# Altium PCB Bran_Main_Assay_PCB_v2.PcbDoc (part 11 of 15) (continued)
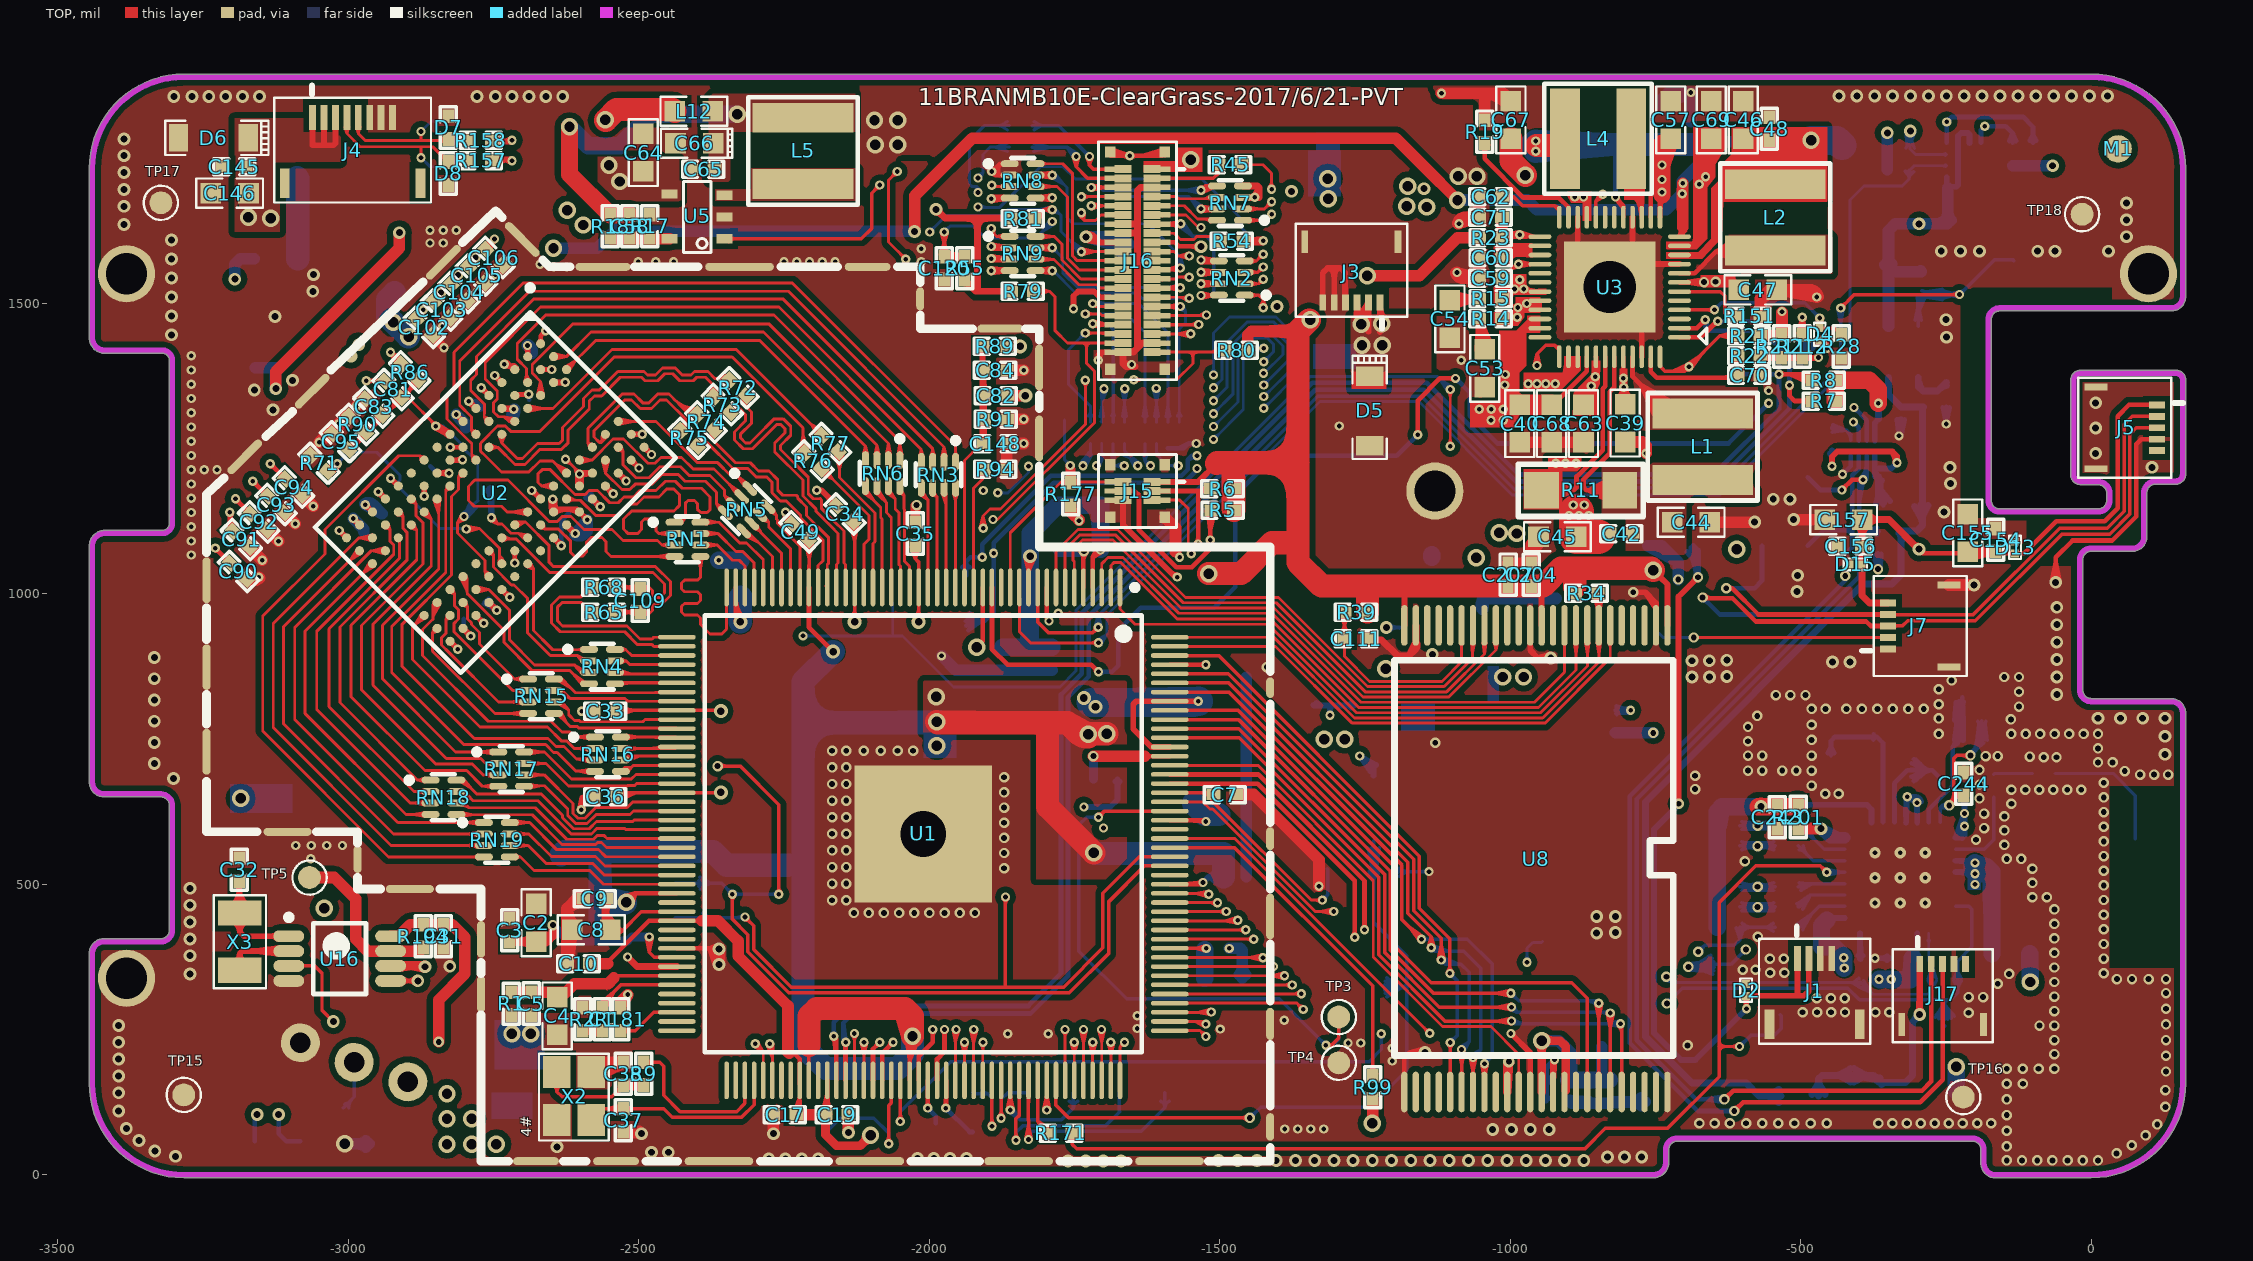
[diagram p0: TOP view]
## Nets (pads, with @x,y where several pads share a name; then routed paths per layer and width w, separated by ;. In a path a pad name is that pad's centre, name@x,y a point inside that pad or via, vN(x,y) a via of type N, cw(c..) or ccw(c..) an arc to the next point about the centre after c; other vN are vias at no path point) (continued)
  BOTTOM w6: v1@-1000.77,284.66 -989.18,279.99 ; v1@-998.02,283.83 cw(c-998.02,271.76) -989.48,280.3 cw(c-980.94,288.83) v1@-993.02,288.83 ; v1(-998.02,288.83) -989.18,279.99 ; v1@-993.84,291.59 -989.18,279.99 ; -843.08,279.99 cw(c-843.08,263.78) v1@-831.61,275.24 ; -837.21,279.99 ccw(c-837.21,287.92) v1@-831.61,282.32 ; v1@-829.52,273.99 -838.88,279.44 ; v1@-828.93,283.71 -838.88,279.44 ; -989.18,279.99 -829.29,279.99 v1(-828.07,278.78) -838.88,279.44
ND7: U1.165 U8.44 | length 1580
  TOP w6: U1.165@-1586.22,752.27 -1466.45,752.27 -1226.52,512.33 -1226.52,378.77 -1112.58,264.83 v1(-998.02,264.83) ; U1.165@-1557.67,752.27 -1535.74,752.27 ; v1@-1001.55,261.3 ccw(c-1010.09,252.76) -1010.09,264.83 ccw(c-1010.09,276.91) v1@-1001.55,268.37 ; v1@-999.63,260.1 -1006.96,265.25 ; v1@-999.63,269.57 -1006.96,264.42 ; v1@-999.19,259.97 -1006.96,264.42 ; v1@-999.19,269.69 -1006.96,265.25 ; v1@-998.5,259.86 -1024.02,264.83 ; v1@-998.5,269.81 -1024.02,264.83 ; v1@-814.02,256.77 cw(c-827.63,243.16) -808.39,243.16 ; v1(-810.49,260.3) -808.39,258.2 U8.44@-808.39,142.68 U8.44@-809.02,143.31 ; U8.44@-810.09,173.97 ccw(c-814.21,178.09) -808.39,178.09 ccw(c-802.56,178.09) U8.44@-806.68,173.97 ; U8.44@-808.39,172.26 -808.39,195.68 ; -1024.02,264.83 v1(-998.02,264.83) ; -1006.96,264.42 v1(-998.02,264.83) ; -1006.96,265.25 v1(-998.02,264.83)
  BOTTOM w6: v1@-998.72,264.13 ccw(c-989.49,273.36) -989.49,260.3 ; v1(-998.02,264.83) -993.49,260.3 v1(-810.49,260.3) ; v1@-994.48,268.37 ccw(c-975.01,287.84) -975.01,260.3 ; v1@-814.02,256.77 ccw(c-822.56,248.23) -822.56,260.3 ccw(c-822.56,272.38) v1@-814.02,263.84 ; v1@-812.1,255.57 -819.43,260.72 ; v1@-812.1,265.04 -819.43,259.89 ; v1@-811.66,255.44 -819.43,259.89 ; v1@-811.66,265.17 -819.43,260.72 ; v1@-810.97,255.33 -836.49,260.3 ; v1@-810.97,265.28 -836.49,260.3 ; -836.49,260.3 v1(-810.49,260.3) ; -819.43,259.89 v1(-810.49,260.3) ; -819.43,260.72 v1(-810.49,260.3)
NDQS: U1.162 U8.35 | length 978.6
  TOP w5: U1.162@-1586.22,705.03 -1434.59,705.03 -1236.02,506.46 -1236.02,374.83 -1116.52,255.33 -1033.52,255.33 -985.55,207.37 U8.35@-985.55,142.68 ; U1.162@-1557.67,705.03 -1538.74,705.03 ; U8.35@-987.61,174.32 ccw(c-992.58,179.3) -985.55,179.3 ccw(c-978.52,179.3) U8.35@-983.49,174.32
NMI-N: R21.1 U1.158 U3.48 U16.3 | length 4996.3
  TOP w5: U1.158@-1586.22,642.04 -1529.28,642.04 -1517.14,629.9 -1512.37,629.9 -1335.78,453.31 v1(-1304.02,453.31) ; U1.158@-1557.67,642.04 -1538.74,642.04 ; v1@-1307.9,449.42 ccw(c-1317.29,440.03) -1317.29,453.31 ccw(c-1317.29,466.59) v1@-1307.9,457.2 ; v1@-1305.79,448.1 -1313.86,453.76 ; v1@-1305.79,458.51 -1313.86,452.85 ; v1@-1305.31,447.96 -1313.86,452.85 ; v1@-1305.31,458.65 -1313.86,453.76 ; v1@-1304.67,447.85 -1327.02,453.31 ; v1@-1304.67,458.77 -1327.02,453.31 ; -1327.02,453.31 v1(-1304.02,453.31) ; -1313.86,452.85 v1(-1304.02,453.31) ; -1313.86,453.76 v1(-1304.02,453.31)
  TOP w6: U16.3@-3102.61,359.66 -3058.13,359.66 -3045.46,347 -3045.46,283.28 v3(-3026.02,263.83) ; U3.48@-742.4,1392.48 -734.02,1383.31 ; U3.48@-742.4,1408.23 -742.4,1391.69 -734.02,1383.31 ; -723.11,1383.31 ccw(c-723.11,1421.64) v1@-696,1394.54 ; -708.62,1383.31 ccw(c-708.62,1407.16) v1@-691.76,1390.29 ; v1@-697.45,1390.62 cw(c-706.76,1389.91) -700.16,1383.31 ; v1@-696.09,1394.44 -702.45,1384.12 ; v1@-695.69,1394.82 -671.74,1411.73 v1@-688.64,1387.78 ; v1@-694.48,1395.58 -713.19,1384.61 ; v1@-694.19,1395.69 -720.59,1383.31 ; v1@-692.85,1386.01 ccw(c-693.56,1376.71) -700.16,1383.31 ; v1@-692.46,1396 ccw(c-692.46,1408.07) -683.93,1399.54 ccw(c-675.39,1391) v1@-687.46,1391 ; v1@-690.54,1386.39 -702.45,1384.12 ; R21.1@-615.5,1439.37 ccw(c-627.18,1427.69) -627.18,1444.21 ccw(c-627.18,1460.73) R21.1@-615.5,1449.05 ; R21.1@-612.87,1437.74 -622.91,1444.77 ; R21.1@-612.87,1450.69 -622.91,1443.65 ; R21.1@-612.27,1437.56 -622.91,1443.65 ; R21.1@-612.27,1450.86 -622.91,1444.77 ; R21.1@-611.5,1437.42 -638.51,1444.21 ; R21.1@-611.5,1451 -638.51,1444.21 ; R21.1@-608.69,1444.21 -639.25,1444.21 v1(-692.46,1391) ; -734.02,1383.31 -700.16,1383.31 ; -720.59,1383.31 v1(-692.46,1391) ; -720.59,1383.31 -691.56,1386.08 -713.19,1384.61 ; -713.19,1384.61 v1(-692.46,1391) ; -702.45,1384.12 v1(-692.46,1391) ; -700.16,1383.31 v1(-692.46,1391) ; -638.51,1444.21 R21.1@-610.66,1444.21 ; -622.91,1443.65 R21.1@-610.66,1444.21 ; -622.91,1444.77 R21.1@-610.66,1444.21
  Singal w6: v3(-3026.02,263.83) -2840.2,263.83 -2730.19,153.83 -2036.47,153.83 -1982.46,207.83 -1643.45,207.83 -1627.97,223.31 -1396.95,223.31 -1334.95,285.31 -1334.95,422.37 v1(-1304.02,453.31) ; v1@-1309.02,453.31 cw(c-1321.09,453.31) -1312.55,444.77 cw(c-1304.02,436.24) v1@-1304.02,448.31 ; v1@-1307.84,456.53 -1324.74,432.58 ; v1@-1307.24,457.13 -1283.29,474.04 v1@-1300.19,450.09 ; v1@-1304.02,458.31 ccw(c-1304.02,470.38) -1295.48,461.84 ccw(c-1286.94,453.31) v1@-1299.02,453.31 ; v1@-1300.79,449.48 -1324.74,432.58 ; v1@-696,1387.46 ccw(c-704.54,1378.93) -704.54,1391 ccw(c-704.54,1403.07) v1@-696,1394.54 ; v1@-694.08,1386.27 -701.41,1391.41 ; v1@-693.64,1395.86 -701.41,1391.41 ; -1324.74,432.58 v1(-1304.02,453.31) ; v1(-1304.02,453.31) -1251.45,505.87 -1251.45,669.16 -949.2,971.41 -949.2,1319.74 -984.02,1354.55 -984.02,1393.31 -969.02,1408.31 -900.77,1408.31 -883.46,1391 v1(-692.46,1391) -701.41,1391.41
NRB0-N: R34.2 U1.176 U8.7 | length 1568.1
  TOP w5: U1.176@-1586.22,925.5 -1407.31,925.5 -1268.3,786.5 -944.32,786.5 -847.65,883.17 -847.65,945.72 U8.7@-847.76,945.83 -847.76,1000.83 -847.76,1009.72 -849.76,1011.73 ; U1.176@-1557.67,925.5 -1538.74,925.5 ; R34.2@-856.64,1000.13 U8.7@-850.64,975.76 ; R34.2@-856.34,1003.02 -849.76,1011.73 ; R34.2@-856.16,998.12 -848.31,988.29 ; R34.2@-854.48,999.03 U8.7@-844.93,976.18 ; R34.2@-854.4,998.73 -847.11,987.09 ; R34.2@-852.55,995.63 cw(c-864.14,984.05) -847.76,984.05 ; U8.7@-850.66,916.02 -847.65,895.83 ; U8.7@-850.66,975.62 R34.2@-847.76,995.83 ; U8.7@-849.82,914.18 cw(c-855.06,908.94) -847.65,908.94 ; U8.7@-849.82,977.47 ccw(c-854.79,982.45) -847.76,982.45 ccw(c-840.72,982.45) U8.7@-845.7,977.47 ; U8.7@-847.76,916.24 -847.65,895.83 ; U8.7@-847.76,975.41 R34.2@-847.76,995.83 ; -847.76,982.15 cw(c-828.69,982.15) R34.2@-842.17,995.63 ; -847.65,909.47 cw(c-840.99,909.47) U8.7@-845.7,914.18 ; U8.7@-844.85,916.05 -847.65,895.83 ; U8.7@-844.85,975.62 R34.2@-847.76,995.83 ; R34.2@-842.52,1003.57 -849.76,1011.73 ; R34.2@-842.16,999.26 -848.31,988.29 ; R34.2@-842.13,999.38 U8.7@-850.64,975.76 ; R34.2@-840.25,999 -847.11,987.09 ; R34.2@-840.03,1000.46 U8.7@-844.93,976.18 ; U8.7@-850.64,975.76 R34.2@-849.33,1000.83 ; -849.76,1011.73 R34.2@-849.33,1000.83 ; R34.2@-849.33,1000.83 U8.7@-847.76,975.89 ; R34.2@-849.33,1000.83 U8.7@-847.76,975.94 ; R34.2@-849.33,1000.83 -848.31,988.29 ; U8.7@-847.76,975.89 -856.51,999.29 U8.7@-847.76,975.94 ; U8.7@-847.76,975.89 -842.01,1000.21 U8.7@-847.76,975.94 ; -847.11,987.09 -847.36,1000.83 U8.7@-844.93,976.18
NRB1-N: U1.175 U8.6 | length 945.3
  TOP w5: U1.175@-1586.22,909.75 -1404.28,909.75 -1272.03,777.5 -940.59,777.5 -828.07,890.02 U8.6@-828.07,945.83 ; U1.175@-1557.67,909.75 -1538.74,909.75 ; U8.6@-830.13,914.18 cw(c-835.1,909.21) -828.07,909.21 cw(c-821.04,909.21) U8.6@-826.01,914.18
NRE-N: U1.1 U8.8 | length 1099.7
  TOP w5: U1.1@-1671.85,982.59 -1671.85,973.83 ; U1.1@-1671.85,1011.13 -1671.85,973.83 ; U8.8@-870.35,916.03 -867.44,895.83 ; U8.8@-869.5,914.18 cw(c-874.47,909.21) -867.44,909.21 cw(c-860.41,909.21) U8.8@-865.38,914.18 ; U8.8@-867.44,916.24 -867.44,895.83 ; U8.8@-867.44,945.83 -867.44,876.1 -948.04,795.5 -1264.58,795.5 -1416.9,947.83 -1645.85,947.83 -1671.85,973.83 ; U8.8@-864.53,916.03 -867.44,895.83
NWE-N: U1.8 U8.18 | length 1093.7
  TOP w5: U1.8@-1782.08,1011.13 -1782.08,1072.97 -1744.31,1110.74 -1676.05,1110.74 -1559.13,993.83 -1399.26,993.83 -1245.94,840.5 -1113.85,840.5 -1065.47,888.88 -1065.47,944.65 U8.18@-1064.29,945.83 ; U1.8@-1782.08,1039.68 -1782.08,1058.61 ; U8.18@-1067.19,915.97 -1065.09,909.23 ; U8.18@-1067.2,916.2 -1065.47,895.82 ; -1065.47,906.36 cw(c-1054.42,906.36) U8.18@-1062.23,914.18 ; U8.18@-1061.53,915.32 -1065.09,909.23 ; U8.18@-1061.4,915.87 -1065.47,895.82 ; -1065.47,895.82 -1064.29,916.24 -1065.09,909.23
NWP-N: C111.2 R39.2 U8.19 | length 827.6
  TOP w5: C111.2@-1292.59,923.91 -1285.33,947.67 C111.2@-1278.07,923.91 ; R39.2@-1292.59,967.74 -1285.33,943.98 ; C111.2@-1292.47,921.1 -1285.93,909.69 ; C111.2@-1292.47,924.55 -1285.93,935.97 ; R39.2@-1292.47,967.1 -1285.93,955.69 ; C111.2@-1292.28,920.46 -1284.73,909.69 ; C111.2@-1292.28,925.2 -1284.73,935.97 ; R39.2@-1292.28,966.46 -1284.73,955.69 ; C111.2@-1290.52,917.63 cw(c-1303.06,905.1) -1285.33,905.1 cw(c-1267.6,905.1) C111.2@-1280.14,917.63 ; C111.2@-1290.52,928.02 ccw(c-1303.06,940.55) -1285.33,940.55 ccw(c-1267.6,940.55) C111.2@-1280.14,928.02 ; R39.2@-1290.52,963.63 cw(c-1303.06,951.1) -1285.33,951.1 cw(c-1267.6,951.1) R39.2@-1280.14,963.63 ; C111.2@-1278.38,920.46 -1285.93,909.69 ; C111.2@-1278.38,925.2 -1285.93,935.97 ; R39.2@-1278.38,966.46 -1285.93,955.69 ; C111.2@-1278.19,921.1 -1284.73,909.69 ; C111.2@-1278.19,924.55 -1284.73,935.97 ; R39.2@-1278.19,967.1 -1284.73,955.69 ; R39.2@-1278.07,967.74 -1285.33,943.98 ; U8.19@-1086.04,914.18 cw(c-1091.01,909.21) -1083.98,909.21 cw(c-1076.94,909.21) U8.19@-1081.92,914.18 ; U8.19@-1083.98,945.83 -1083.98,883.1 -1117.58,849.5 -1242.21,849.5 -1285.33,892.62 C111.2@-1285.33,922.83 ; -1285.93,909.69 C111.2@-1285.33,922.83 ; -1285.93,935.97 C111.2@-1285.33,922.83 ; -1285.93,955.69 R39.2@-1285.33,968.83 ; C111.2@-1285.33,922.83 -1284.73,935.97 ; C111.2@-1285.33,922.83 -1284.73,909.69 ; C111.2@-1285.33,922.83 R39.2@-1285.33,968.83 ; -1285.33,943.98 R39.2@-1285.33,968.83 ; R39.2@-1285.33,968.83 -1284.73,955.69
O_RESET: J7.2 R131.2 TP86.1 U1.108 | length 3188
  TOP w5: v2@-683.27,925.2 J7.2@-349.59,925.2 ; J7.2@-359.87,922.79 ccw(c-365.69,916.98) -365.69,925.2 ccw(c-365.69,933.42) J7.2@-359.87,927.61 ; J7.2@-358.56,921.98 -363.56,925.48 ; J7.2@-358.56,928.42 -363.56,924.92 ; J7.2@-358.26,921.89 -363.56,924.92 ; J7.2@-358.26,928.51 -363.56,925.48 ; -363.56,924.92 -357.47,925.2 -363.56,925.48
  TOP w6: v1@-2054.8,93.21 -2050.23,101.16 ; v1@-2053.48,95.53 ccw(c-2062.37,104.42) -2049.8,104.42 ; v1(-2049.94,91.99) -2050.23,101.16 ; v1@-2049.8,92.05 U1.108@-2049.8,162.71 ; -2049.8,103.71 ccw(c-2038.23,103.71) v1@-2046.41,95.53 ; -2049.8,112.23 U1.108@-2049.8,134.17 ; v1@-2045.18,93.5 -2050.23,101.16
  Singal w5: v1@-796.9,803.72 ccw(c-806.29,813.11) -793.02,813.11 ccw(c-779.74,813.11) v1@-789.13,803.72 ; v1(-793.02,799.83) -793.02,816.45 v2(-684.46,925)
  Singal w6: v1(-1222.02,242.83) -1222.02,243.05 -1180.23,284.83 -1078.16,284.83 -1047.02,315.98 -1047.02,405.83 -793.02,659.83 v1(-793.02,799.83) ; v1@-1222.02,247.83 ccw(c-1222.02,259.39) -1213.84,251.22 ; v1@-1217.02,242.83 cw(c-1204.43,242.83) -1213.33,251.73 ; v1@-796.55,796.3 cw(c-805.09,787.76) -793.02,787.76 cw(c-780.94,787.76) v1@-789.48,796.3
  BOTTOM w5: TP86.1@-744.09,932.17 -742.57,930.65 -736.92,925 v2(-684.46,925)
  BOTTOM w6: v1@-2054.68,93.61 -2049.53,100.94 ; v1@-2053.48,95.53 ccw(c-2062.02,104.06) -2049.94,104.06 ccw(c-2037.87,104.06) v1@-2046.41,95.53 ; v1@-2045.08,93.17 -2049.53,100.94 ; v1@-1225.55,239.3 cw(c-1234.09,230.76) -1222.02,230.76 cw(c-1209.94,230.76) v1@-1218.48,239.3 ; v1(-1222.02,242.83) -1222.02,216 -1243.02,195 -1963.46,195 -2049.94,108.52 v1(-2049.94,91.99) -2049.53,100.94 ; R131.2@-819.02,798.55 -807.82,799.35 ; R131.2@-817.94,807.28 v1(-793.02,799.83) ; R131.2@-817.4,805.2 -807.82,799.35 ; R131.2@-817.28,793.9 -805.72,800.48 ; R131.2@-817.23,807.13 -805.72,800.48 ; R131.2@-816.47,792.2 -807.82,799.35 ; R131.2@-814.18,795.68 cw(c-804.15,785.65) -804.15,799.83 ; R131.2@-814.18,805.36 ccw(c-800.84,818.69) v1@-800.84,799.83 ; -806.88,801.45 ccw(c-803.75,813.13) v1@-796.16,803.72 ; v1@-796.55,796.3 ccw(c-805.09,787.76) -805.09,799.83 ccw(c-805.09,811.91) v1@-796.55,803.37 ; v1@-795.12,795.3 -801.88,801.19 ; v1@-794.63,795.1 -801.96,800.25 ; v1@-794.44,795.04 R131.2@-810.27,802.36 ; v1@-794.19,794.97 -801.96,799.42 ; v1@-794.19,804.69 -801.96,800.25 ; v1@-793.63,794.87 R131.2@-819.02,800.52 ; v1@-793.67,804.79 -801.88,801.19 ; v1@-793.51,794.86 R131.2@-818.33,799.83 ; v1@-793.51,804.81 R131.2@-818.33,799.83 ; v1@-793.37,804.82 R131.2@-819.02,800.52 ; v1@-793.01,804.83 R131.2@-810.27,802.36 ; v1@-792.31,794.88 R131.2@-818.29,793.72 ; R131.2@-819.02,800.52 v1(-793.02,799.83) ; R131.2@-819.02,800.52 -805.72,800.48 ; R131.2@-819.02,800.52 v1(-793.02,799.83) ; R131.2@-819.02,800.52 R131.2@-818.33,799.83 ; R131.2@-818.33,799.83 v1(-793.02,799.83) ; R131.2@-818.33,799.83 v1(-793.02,799.83) ; R131.2@-818.29,793.72 v1(-793.02,799.83) ; R131.2@-818.29,793.72 -794.65,804.56 -801.96,799.42 ; R131.2@-818.29,793.72 v1(-793.02,799.83) ; R131.2@-810.27,802.36 v1(-793.02,799.83) ; -801.96,799.42 v1(-793.02,799.83) ; -801.96,800.25 v1(-793.02,799.83) ; -801.88,801.19 v1(-793.02,799.83)
ODT: RN19.4 U2.K1 | length 1187.2
  TOP w5: U2.K1@-2874.88,1230.94 ccw(c-2883.12,1232.04) -2877.24,1237.92 ; U2.K1@-2874.17,1227.49 -2877.24,1237.92 ; U2.K1@-2870.26,1235.56 cw(c-2871.36,1243.8) -2877.24,1237.92 ; U2.K1@-2866.8,1234.85 -2877.24,1237.92 ; RN19.4@-2778.63,544.92 ccw(c-2784.61,538.94) -2784.61,547.39 ccw(c-2784.61,555.84) RN19.4@-2778.63,549.87 ; RN19.4@-2777.29,544.08 -2782.42,547.68 ; RN19.4@-2777.29,550.7 -2782.42,547.1 ; RN19.4@-2776.98,543.99 -2782.42,547.1 ; RN19.4@-2776.98,550.79 -2782.42,547.68 ; RN19.4@-2766.66,547.39 -2930.9,547.39 -3147.43,763.92 -3147.43,961.92 -3040.43,1068.92 -3040.43,1110.92 -2913.43,1237.92 -2877.24,1237.92 ; -2877.24,1237.92 U2.K1@-2869.55,1230.23 -2877.24,1237.92 ; -2782.42,547.1 -2776.16,547.39 -2782.42,547.68
P_RX_UART1: J6.5 U1.152 | length 1345.9
  TOP w6: v1@-2317.45,438.83 cw(c-2317.45,426.76) -2308.91,435.29 cw(c-2300.38,443.83) v1@-2312.45,443.83 ; v1(-2317.45,443.83) -2302.3,428.68 -2302.3,387.99 -2237.61,323.31 -1769.02,323.31 -1701.65,390.68 -1701.65,484.55 -1638.65,547.55 U1.152@-1586.22,547.55 ; v1@-1872.55,474.77 cw(c-1881.09,466.24) -1869.02,466.24 cw(c-1856.94,466.24) v1@-1865.48,474.77 ; -1869.02,324.87 v1(-1869.02,478.31) ; -1636.7,547.55 U1.152@-1614.76,547.55
  BOTTOM w6: J6.5@-2437.01,442.91 -2318.37,442.91 v1(-2317.45,443.83) ; J6.5@-2390.01,435.29 cw(c-2371.61,416.88) -2371.61,442.91 cw(c-2371.61,468.93) J6.5@-2390.01,450.53 ; -2331.74,442.91 ccw(c-2331.74,458.11) v1@-2320.98,447.36 ; -2327.3,442.91 cw(c-2327.3,433.97) v1@-2320.98,440.29
P_TX_UART1: J6.6 U1.151 | length 1806.2
  TOP w6: v2(-2364.45,703.74) -2325.45,703.74 -2259.02,637.31 v1(-2259.02,483.31) ; v2@-2360.21,699.5 cw(c-2349.96,689.25) -2349.96,703.74 cw(c-2349.96,718.23) v2@-2360.21,707.98 ; v1@-2342.55,479.77 cw(c-2351.09,471.24) -2339.02,471.24 cw(c-2326.94,471.24) v1@-2335.48,479.77 ; v1(-2339.02,483.31) -2339.02,440.39 -2312.3,413.68 -2312.3,383.85 -2241.76,313.31 -1759.02,313.31 -1691.65,380.68 -1691.65,469.8 -1629.65,531.8 ; v1@-2262.55,486.84 ccw(c-2271.09,495.38) -2259.02,495.38 ccw(c-2246.94,495.38) v1@-2255.48,486.84 ; U1.151@-1614.76,531.8 -1629.65,531.8 ; U1.151@-1586.22,531.8 -1629.65,531.8
  BOTTOM w6: J6.6@-2437.01,501.96 -2357.67,501.96 v1(-2339.02,483.31) ; J6.6@-2397.63,501.96 -2378.35,502.85 ; J6.6@-2397.26,506.73 -2378.35,502.85 ; J6.6@-2396.83,497.25 -2378.35,502.85 ; J6.6@-2395.1,512.44 -2378.35,502.85 ; J6.6@-2394.15,491.76 -2378.35,502.85 ; J6.6@-2390.01,494.34 cw(c-2371.61,475.94) -2371.61,501.96 cw(c-2371.61,527.99) J6.6@-2390.01,509.59 ; v2@-2365.45,704.74 v2(-2364.45,703.74) ; v1@-2344.02,483.31 ccw(c-2356.09,483.31) -2347.55,491.84 ccw(c-2339.02,500.38) v1@-2339.02,488.31 ; v1@-2337.84,488.17 -2330.07,483.72 ; v1@-2337.4,478.57 -2330.07,483.72 ; v1@-2335.48,479.77 cw(c-2326.94,471.24) -2326.94,483.31 cw(c-2326.94,495.38) v1@-2335.48,486.84 ; v1@-2262.55,479.77 ccw(c-2271.09,471.24) -2271.09,483.31 ccw(c-2271.09,495.38) v1@-2262.55,486.84 ; v1@-2260.63,478.57 -2267.96,483.72 ; v1@-2260.19,488.17 -2267.96,483.72 ; v1(-2339.02,483.31) -2330.07,483.72 ; v1(-2339.02,483.31) v1(-2259.02,483.31) -2267.96,483.72
RAS: RN16.3 U2.J3 | length 973.1
  TOP w5: U2.J3@-2808.08,1207.34 cw(c-2816.89,1206.34) -2810.62,1200.07 ; U2.J3@-2807.77,1209.85 -2807.88,1201.93 ; U2.J3@-2807.41,1210.61 -2808.76,1202.81 ; U2.J3@-2807.34,1210.72 -2810.62,1200.07 ; U2.J3@-2803.35,1202.61 ccw(c-2804.35,1193.8) -2810.62,1200.07 ; U2.J3@-2800.84,1202.92 -2808.76,1202.81 ; U2.J3@-2800.08,1203.28 -2807.88,1201.93 ; U2.J3@-2799.97,1203.35 -2810.62,1200.07 ; -2597.67,715.92 cw(c-2597.67,701.6) RN16.3@-2587.54,711.73 ; RN16.3@-2586.21,710.89 -2593.96,715.43 ; RN16.3@-2585.64,710.75 -2606.1,715.92 ; RN16.3@-2585.27,717.7 -2593.96,715.43 ; RN16.3@-2585.07,717.7 -2606.1,715.92 ; RN16.3@-2575.57,714.2 -2577.3,715.92 -2607.58,715.92 -2628.82,737.16 -2642.58,737.16 -2656.34,750.92 -2783.28,750.92 -2907.43,875.07 -2907.43,947.77 -2822.43,1032.77 -2822.43,1167.92 -2810.62,1179.73 -2810.62,1200.07 ; -2810.62,1200.07 U2.J3@-2802.74,1207.95 ; -2810.62,1200.07 U2.J3@-2802.74,1207.95 ; -2808.76,1202.81 U2.J3@-2802.74,1207.95 ; -2807.88,1201.93 U2.J3@-2802.74,1207.95 ; -2606.1,715.92 -2585.07,714.2 -2593.96,715.43
RESET-N: C7.2 C71.2 R23.1 TP88.1 U1.159 U3.25 | length 3880.6
  TOP w5: -1523.46,657.79 ccw(c-1523.46,665.1) C7.2@-1518.29,659.93 ; C7.2@-1520.08,652.45 ccw(c-1527.45,650.04) -1527.45,657.79 ; C7.2@-1518.28,653.04 -1511.13,638.9 ; C7.2@-1518.23,652.85 -1511.92,643.43 ; C7.2@-1517.9,651.89 -1510.35,643.43 ; C7.2@-1516.38,648.17 -1527.45,657.79 ; C7.2@-1515.88,649.14 cw(c-1524.55,638.9) -1511.13,638.9 ; C7.2@-1513.42,662.08 -1527.45,657.79 ; C7.2@-1513.1,654.74 -1527.45,657.79 ; C7.2@-1510.98,654.89 -1513.88,657.79 -1527.45,657.79 ; C7.2@-1506.39,649.14 ccw(c-1497.72,638.9) -1511.13,638.9 ; C7.2@-1504.37,651.89 -1511.92,643.43 ; C7.2@-1504.04,652.85 -1510.35,643.43 ; C7.2@-1503.99,653.04 -1511.13,638.9 ; v1@-1327.35,469.11 ccw(c-1336.74,459.72) -1336.74,473 ccw(c-1336.74,486.28) v1@-1327.35,476.89 ; v1@-1325.24,478.21 -1333.31,472.55 ; v1@-1324.76,467.65 -1333.31,472.55 ; -1511.92,643.43 C7.2@-1511.13,654.74 ; -1511.13,638.9 C7.2@-1511.13,654.74 ; -1511.13,638.9 C7.2@-1511.13,654.74 ; -1511.13,638.9 -1508.64,638.9 -1342.75,473 v1(-1323.46,473) -1333.31,472.55 ; C7.2@-1511.13,654.74 -1510.35,643.43
  TOP w6: U1.159@-1586.22,657.79 -1527.45,657.79 ; U1.159@-1557.67,657.79 -1535.74,657.79 ; C71.2@-1023.14,1648.26 R23.1@-1019.53,1620.47 ; R23.1@-1021.12,1614.15 -1014.33,1641.15 R23.1@-1007.54,1614.15 ; C71.2@-1021.12,1647.47 R23.1@-1014.33,1620.46 ; R23.1@-1020.98,1614.91 -1014.89,1625.55 ; C71.2@-1020.98,1646.7 -1014.89,1636.06 ; R23.1@-1020.81,1615.52 -1013.77,1625.55 ; C71.2@-1020.81,1646.1 -1013.77,1636.06 ; R23.1@-1019.17,1618.15 ccw(c-1030.85,1629.83) -1014.33,1629.83 ccw(c-997.81,1629.83) R23.1@-1009.49,1618.15 ; C71.2@-1019.17,1643.47 cw(c-1030.85,1631.79) -1014.33,1631.79 ; C71.2@-1019.01,1646.69 R23.1@-1009.13,1620.47 ; C71.2@-1016.3,1648.31 R23.1@-1019.53,1620.47 ; -1014.33,1631.79 cw(c-997.81,1631.79) C71.2@-1009.49,1643.47 ; R23.1@-1012.74,1620.14 v1(-984.02,1618.31) ; R23.1@-1012.5,1620.15 -992.75,1617.13 ; C71.2@-1012.36,1648.31 R23.1@-1009.13,1620.47 ; R23.1@-1011.76,1612.71 cw(c-998.38,1599.49) -998.38,1618.31 ; R23.1@-1010.38,1606.76 v1(-984.02,1618.31) ; R23.1@-1009.92,1606.91 -992.75,1617.13 ; C71.2@-1009.65,1646.69 R23.1@-1019.53,1620.47 ; R23.1@-1007.85,1615.52 -1014.89,1625.55 ; C71.2@-1007.85,1646.1 -1014.89,1636.06 ; R23.1@-1007.68,1614.91 -1013.77,1625.55 ; C71.2@-1007.68,1646.7 -1013.77,1636.06 ; C71.2@-1007.54,1647.47 R23.1@-1014.33,1620.46 ; R23.1@-1007.49,1608.5 cw(c-984.02,1585.31) v1(-984.02,1618.31) ; C71.2@-1005.52,1648.26 R23.1@-1009.13,1620.47 ; v1@-988.35,1620.81 cw(c-998.8,1626.84) -995.67,1615.18 cw(c-992.55,1603.52) v1@-986.52,1613.98 ; v1@-987.55,1614.77 ccw(c-996.09,1606.24) -996.09,1618.31 ccw(c-996.09,1630.38) v1@-987.55,1621.84 ; v1@-986.8,1622.46 -992.55,1615.59 ; v1@-986.41,1622.7 -992.76,1616.39 ; v1@-986,1622.9 -1000.52,1613.89 ; v1@-985.63,1613.57 -992.96,1618.72 ; v1@-985.63,1623.04 -992.96,1617.9 ; v1@-985.19,1613.45 -992.96,1617.9 ; v1@-985.19,1623.17 -992.96,1618.72 ; v1@-984.51,1613.33 R23.1@-1009.33,1618.31 ; v1@-984.51,1623.28 R23.1@-1009.33,1618.31 ; v1@-984.35,1613.32 -992.76,1616.39 ; v1@-984.18,1613.31 U3.25@-957.33,1614.92 ; v1@-984.18,1623.3 R23.1@-1009.98,1619.96 ; v1@-984.15,1623.31 R23.1@-1011.8,1620.04 ; v1@-984.04,1613.31 -969.89,1615.73 ; v1@-983.89,1613.31 -992.55,1615.59 ; v1@-983.63,1613.32 R23.1@-1009.76,1613.81 ; v1@-983.62,1613.32 R23.1@-1009.74,1613.77 ; v1@-983.44,1613.34 -1000.52,1613.89 ; v1@-982.93,1623.19 U3.25@-957.33,1614.92 ; v1@-982.66,1613.49 -975.59,1618.09 ; v1@-982.41,1623.04 -975.59,1618.09 ; v1@-982.28,1622.99 -969.89,1615.73 ; v1@-980.48,1621.84 ccw(c-963.77,1638.55) U3.25@-963.77,1614.92 ; U3.25@-949.09,1614.92 v1@-980.63,1614.92 ; -1014.89,1625.55 R23.1@-1014.33,1613.31 ; -1014.89,1636.06 C71.2@-1014.33,1648.31 ; R23.1@-1014.33,1613.31 -1013.77,1625.55 ; R23.1@-1014.33,1613.31 C71.2@-1014.33,1648.31 ; R23.1@-1014.33,1613.31 R23.1@-1009.33,1618.31 ; R23.1@-1014.33,1620.46 C71.2@-1014.33,1648.31 ; C71.2@-1014.33,1648.31 -1013.77,1636.06 ; R23.1@-1011.8,1620.04 v1(-984.02,1618.31) ; R23.1@-1011.8,1620.04 v1@-984.77,1613.36 ; R23.1@-1009.98,1619.96 v1(-984.02,1618.31) ; R23.1@-1009.98,1619.96 v1@-984.81,1613.37 ; R23.1@-1009.74,1613.77 v1(-984.02,1618.31) ; R23.1@-1009.74,1613.77 -985.35,1623.13 R23.1@-1009.76,1613.81 ; R23.1@-1009.76,1613.81 v1(-984.02,1618.31) ; R23.1@-1009.33,1618.31 v1(-984.02,1618.31) ; R23.1@-1009.33,1618.31 v1(-984.02,1618.31) ; -1000.52,1613.89 v1(-984.02,1618.31) ; -992.96,1617.9 v1(-984.02,1618.31) ; -992.96,1618.72 v1(-984.02,1618.31) ; -992.76,1616.39 v1(-984.02,1618.31) ; -992.75,1617.13 v1(-984.02,1618.31) ; -992.75,1617.13 v1@-986.06,1622.87 ; -992.75,1617.13 v1@-984.78,1613.37 ; -992.75,1617.13 v1(-984.02,1618.31) ; -992.75,1617.13 v1@-986.06,1622.87 ; -992.75,1617.13 v1@-984.78,1613.37 ; -992.75,1617.13 v1(-984.02,1618.31) ; -992.75,1617.13 v1@-986.06,1622.87 ; -992.75,1617.13 v1@-984.78,1613.37 ; -992.75,1617.13 -1012.36,1613.31 v1(-984.02,1618.31) ; -992.55,1615.59 v1(-984.02,1618.31) ; v1(-984.02,1618.31) -975.59,1618.09 ; v1(-984.02,1618.31) U3.25@-964.84,1614.92 ; v1(-984.02,1618.31) U3.25@-964.84,1614.92 ; v1(-984.02,1618.31) -969.89,1615.73 ; v1(-984.02,1618.31) U3.25@-957.33,1614.92 ; v1(-984.02,1618.31) v1@-980.63,1614.92 ; v1@-980.63,1614.92 U3.25@-964.84,1614.92 ; -975.59,1618.09 U3.25@-964.84,1614.92 ; U3.25@-964.84,1614.92 -984.25,1613.31 U3.25@-964.84,1614.92 ; U3.25@-964.84,1614.92 -982.52,1623.08 U3.25@-964.84,1614.92
  Singal w6: v1(-1323.46,473) -1286.46,510 -1286.46,668 -966.46,988 -966.46,1295.54 -1044.02,1373.09 -1044.02,1588.31 -1014.02,1618.31 v1(-984.02,1618.31) ; v1@-1323.46,478 ccw(c-1323.46,490.07) -1314.93,481.54 ccw(c-1306.39,473) v1@-1318.46,473 ; v1@-987.55,1614.77 ccw(c-996.09,1606.24) -996.09,1618.31 ccw(c-996.09,1630.38) v1@-987.55,1621.84
  BOTTOM w6: v1(-1323.46,473) -1314.45,482.02 -1314.45,526.15 TP88.1@-1314.96,526.66 ; v1@-1323.46,478 ccw(c-1323.46,490.07) -1314.93,481.54 ccw(c-1306.39,473) v1@-1318.46,473
RST: RN19.2 U2.T2 | length 1036.3
  TOP w5: U2.T2@-2986.28,1074.33 cw(c-2999.26,1074.33) -2990.08,1065.16 cw(c-2980.91,1055.98) U2.T2@-2980.91,1068.96 ; U2.T2@-2985.73,1076.7 -2987.4,1067.22 ; U2.T2@-2985.49,1077.13 -2988.02,1067.84 ; U2.T2@-2985.13,1077.66 -2997.08,1058.16 ; U2.T2@-2978.54,1069.51 -2988.02,1067.84 ; U2.T2@-2978.11,1069.75 -2987.4,1067.22 ; U2.T2@-2977.58,1070.11 -2997.08,1058.16 ; RN19.2@-2778.63,584.29 ccw(c-2784.61,578.31) -2784.61,586.76 ccw(c-2784.61,595.21) RN19.2@-2778.63,589.24 ; RN19.2@-2777.29,583.45 -2782.42,587.05 ; RN19.2@-2777.29,590.07 -2782.42,586.47 ; RN19.2@-2776.98,583.36 -2782.42,586.47 ; RN19.2@-2776.98,590.16 -2782.42,587.05 ; RN19.2@-2776.45,583.27 -2797.16,586.76 ; RN19.2@-2776.45,590.25 -2797.16,586.76 ; RN19.2@-2766.66,586.76 -2922.27,586.76 -3111.43,775.92 -3111.43,943.81 U2.T2@-2980.91,1074.33 ; -2997.08,1058.16 U2.T2@-2980.91,1074.33 ; -2988.02,1067.84 U2.T2@-2980.91,1074.33 ; -2987.4,1067.22 U2.T2@-2980.91,1074.33 ; -2797.16,586.76 RN19.2@-2776.16,586.76 ; -2782.42,586.47 RN19.2@-2776.16,586.76 ; -2782.42,587.05 RN19.2@-2776.16,586.76
RTCVDD: C31.2 C59.2 R21.2 R194.2 R211.2 TP50.1 U3.28 U16.8 | length 4993.4
  TOP w6: C59.2@-1014.33,1543.31 -989.96,1567.68 v1(-985.94,1567.68) ; -1001.34,1556.3 cw(c-985.94,1540.91) v1@-985.94,1562.68 ; v1@-985.46,1562.7 -959.94,1567.68 v1@-985.46,1572.65 ; v1@-985.35,1562.71 U3.28@-964.84,1567.68 ; v1@-985.35,1572.64 U3.28@-964.84,1567.68 ; v1@-984.77,1562.82 -977,1567.27 ; v1@-984.77,1572.54 -977,1568.09 ; v1@-984.33,1562.95 -977,1568.09 ; v1@-984.33,1572.41 -977,1567.27 ; v1@-982.41,1564.14 cw(c-973.87,1555.61) -973.87,1567.68 cw(c-973.87,1579.75) v1@-982.41,1571.21 ; U3.28@-949.09,1567.68 v1(-985.94,1567.68) ; v1(-985.94,1567.68) -977,1568.09 ; v1(-985.94,1567.68) -977,1567.27 ; v1(-985.94,1567.68) U3.28@-964.84,1567.68
  TOP w20: U16.8@-2927.42,410.84 -2913.62,410.84 -2893.78,430.69 ; U16.8@-2911.08,410.84 -2893.78,430.69 ; v2(-2844.46,229) -2844.46,301 -2799.46,346 -2799.46,409 -2821.15,430.69 ; R21.2@-569.32,1444.21 -533.94,1444.21 R21.2@-567.36,1444.21 ; R211.2@-532.46,1445.69 -532.46,1485 R211.2@-532.46,1447.65 ; -2893.78,430.69 R194.2@-2871.46,430.69 ; -2893.78,430.69 R194.2@-2871.46,430.69 ; R194.2@-2871.46,430.69 C31.2@-2836.46,430.69 ; R194.2@-2871.46,430.69 C31.2@-2836.46,430.69 ; C31.2@-2836.46,430.69 -2821.15,430.69 ; C31.2@-2836.46,430.69 -2821.15,430.69
  Singal w20: v2(-2844.46,229) -2742.29,126.83 -2025.28,126.83 -1977.11,175 -1637.99,175 -1620.66,192.33 -1389.48,192.33 -1297.46,284.34 -1297.46,410.5 -1207.86,500.1 -1057.36,500.1 -876.46,681 -876.46,859 -710.82,1024.64 -710.46,1025 -710.46,1329 -641.46,1398 -641.46,1425.31 ; v1@-989.02,1568.31 -985.94,1568.31 -954.02,1568.31 ; v1(-985.94,1567.68) -954.02,1568.31 ; -762.24,973.22 v2(-711.02,1024.83) -710.46,1093.85 ; v1@-532.46,1485 -532.46,1459 -566.16,1425.31 -641.46,1425.31 ; -954.02,1568.31 -934.02,1548.31 -934.02,1443.31 -916.02,1425.31 -641.46,1425.31
  BOTTOM w20: v2(-711.02,1024.83) -711.02,1054.45 ; TP50.1@-763.78,1082.68 -739.24,1082.68 ; TP50.1@-763.78,1082.68 -711.02,1054.45 ; TP50.1@-763.78,1082.68 -739.24,1082.68 ; -739.24,1082.68 -711.02,1054.45
  other v1: -532.46,1486
SA0: RN17.5 U1.64 | length 424.1
  TOP w5: RN17.5@-2697.55,668.97 -2696.65,669.87 -2662.43,669.87 -2622.52,629.96 -2622.52,618.57 -2608.75,604.81 -2589.28,604.81 -2573.57,620.52 -2515.19,620.52 -2509.42,626.29 U1.64@-2434.64,626.29 ; RN17.5@-2687.91,672.47 -2667.04,669.87 ; RN17.5@-2687.61,665.5 -2667.04,669.87 ; RN17.5@-2687.48,672.42 -2680.41,669.48 ; RN17.5@-2687.02,665.62 -2680.41,669.48 ; RN17.5@-2685.57,666.5 cw(c-2677.43,658.35) -2677.43,669.87 ; RN17.5@-2685.57,671.45 ccw(c-2681.77,675.25) -2681.77,669.87 ; -2482.12,626.29 U1.64@-2463.18,626.29 ; -2680.41,669.48 -2688.05,668.97 -2667.04,669.87